# Altium PCB uz_d_absolute_encoder.PcbDoc (part 1 of 2) (continued)
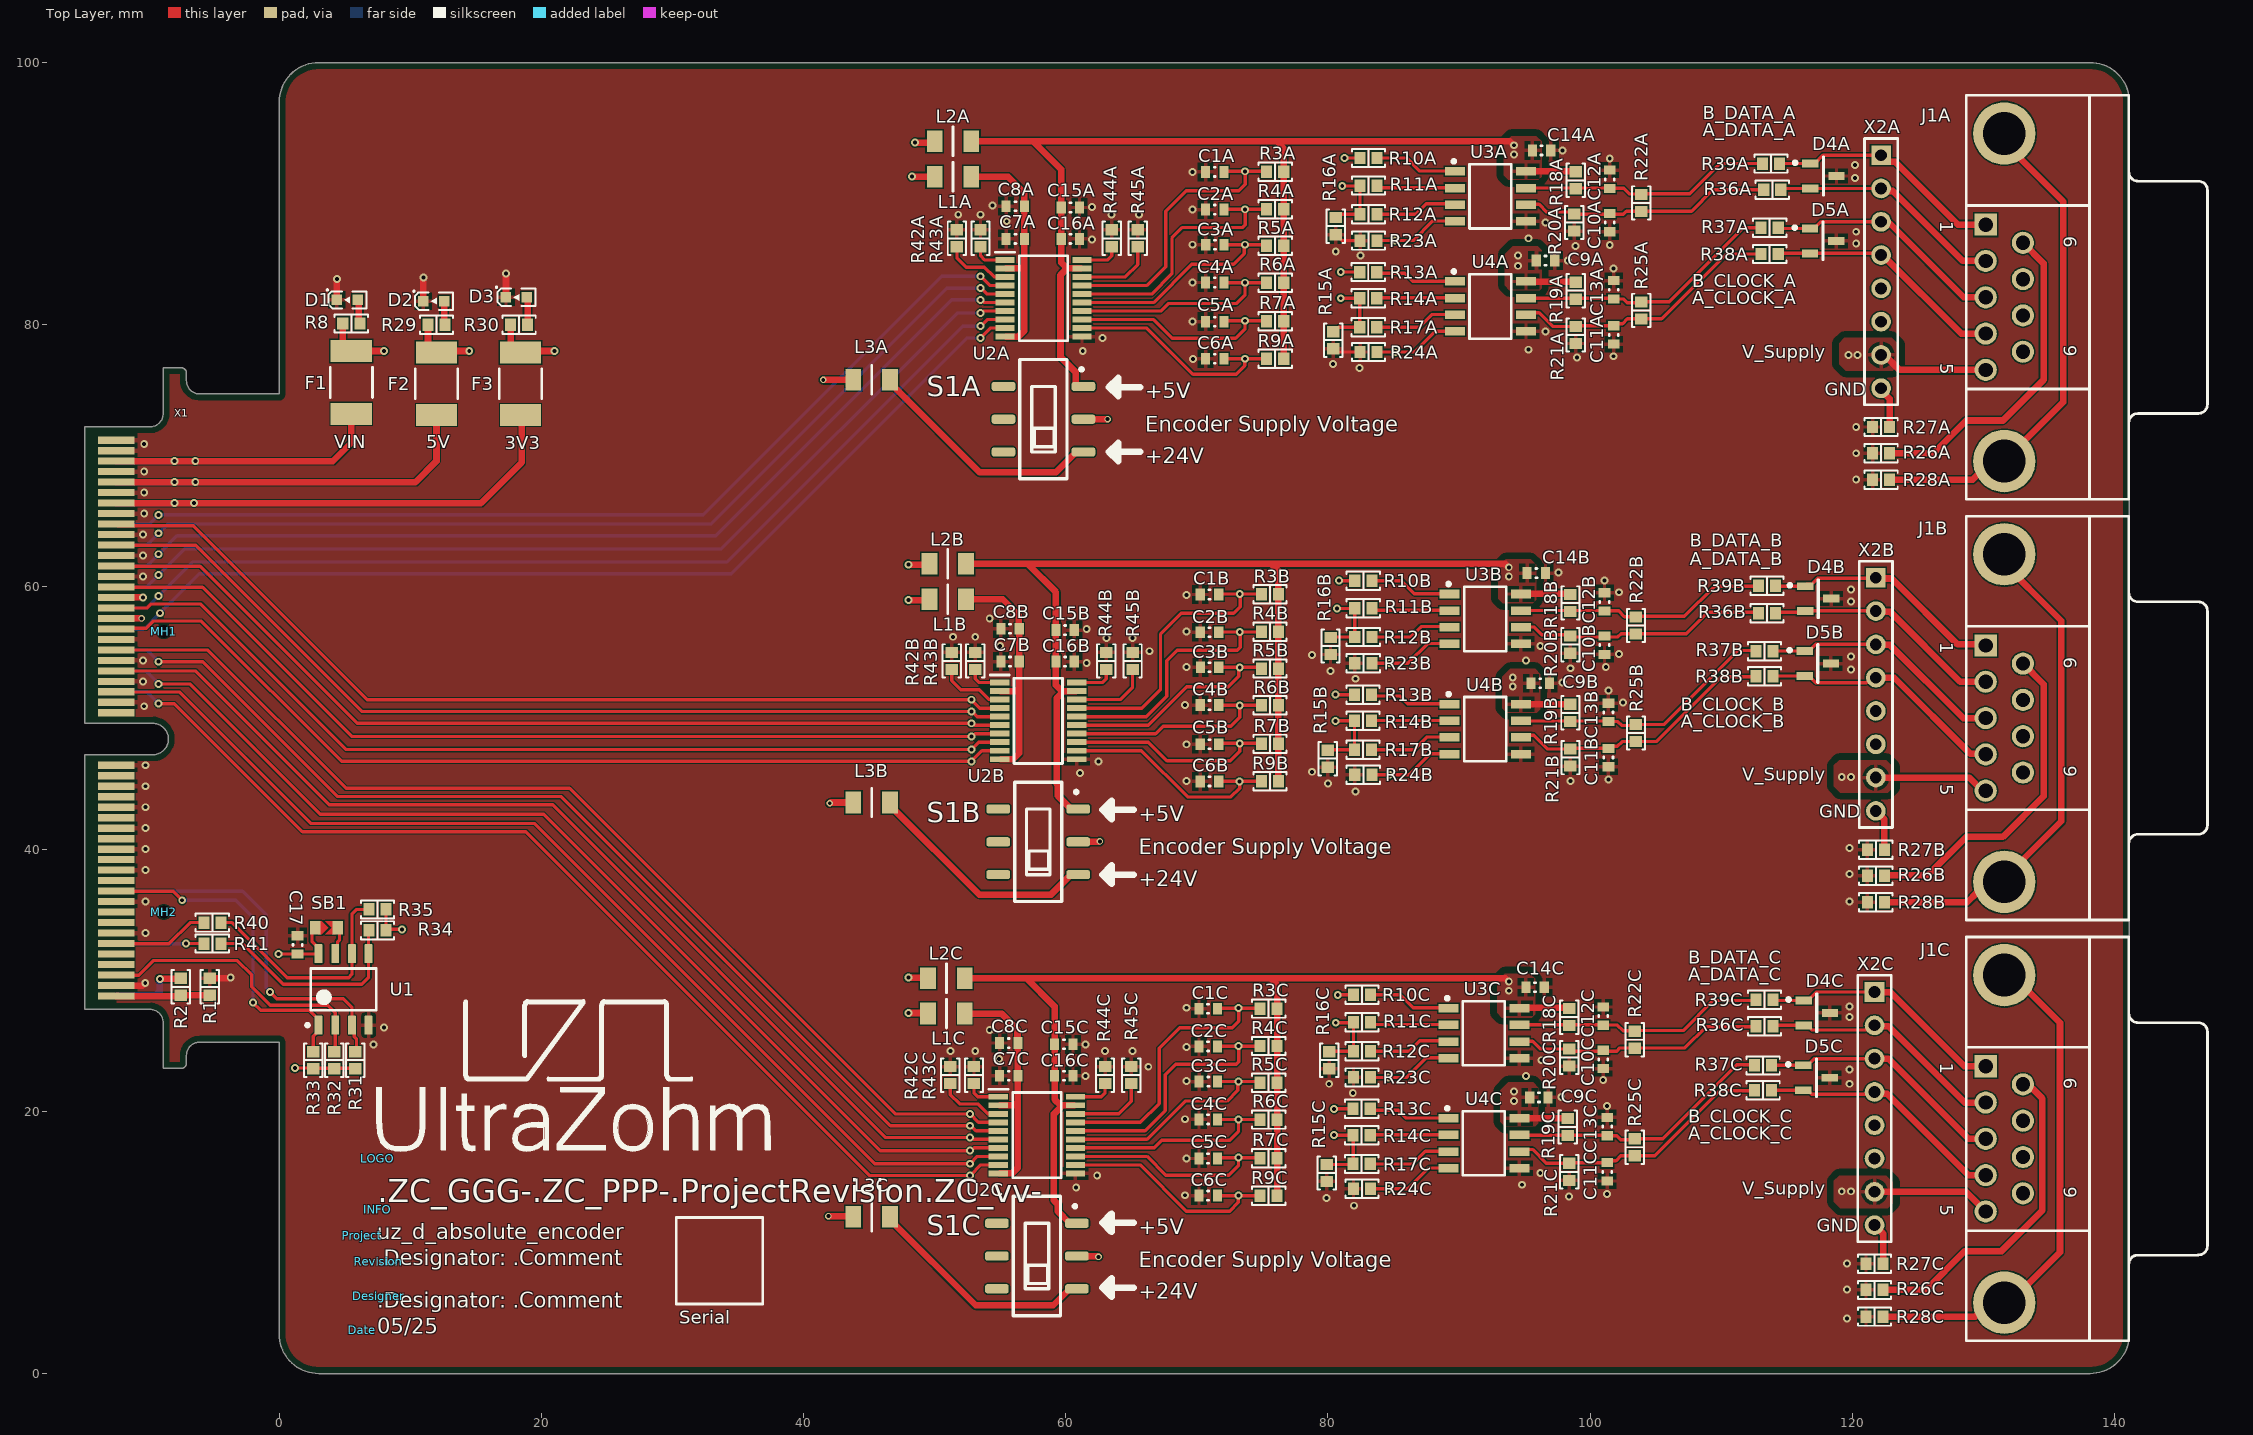
[diagram p0: Top Layer view]
## Components (designator, comment, footprint, x,y, rotation, side; value= is the part's Value field where it differs from the comment) (continued)
U3A "THVD1450DR" SOIC127P600X175-8N 92.4,89.8 r0 top (schematic designator U3)
U3B "THVD1450DR" SOIC127P600X175-8N 92,57.56 r0 top (schematic designator U3)
U3C "THVD1450DR" SOIC127P600X175-8N 91.9,25.96 r0 top (schematic designator U3)
U4A "THVD1450DR" SOIC127P600X175-8N 92.4,81.4 r0 top (schematic designator U4)
U4B "THVD1450DR" SOIC127P600X175-8N 92,49.16 r0 top (schematic designator U4)
U4C "THVD1450DR" SOIC127P600X175-8N 91.9,17.56 r0 top (schematic designator U4)
X1 "HSEC8-150-01-XX-DV-A-BL-CARD" HSEC8-150-01-XX-DV-A-BL-CARD -14.84,50 r270 bottom locked
X2A "Pin Header" HDR1X8 122.2,92.94 r270 top (schematic designator X2)
X2B "Pin Header" HDR1X8 121.8,60.7 r270 top (schematic designator X2)
X2C "Pin Header" HDR1X8 121.7,29.1 r270 top (schematic designator X2)

## Footprints (in the part's own frame and the unit in brackets; to place one, negate y for a bottom-side part, rotate by r counter-clockwise, add the part's x,y. Pads: shape width x height; smd on the part's side, far side on the other; paste and mask are expansions set on the pad)
1812_PTC_Polyfuse_Littelfuse [mm] "Chip Fuse, 2-Leads, Body 4.6x3.24mm"
  rect 1.68x3.14 smd: 1(-2.39,0) 2(2.39,0)
  silkscreen extent -1.15,-1.62 1.15,1.62, body extent -2.3,-1.62 2.3,1.62, height 1.15
C_0603 [mm] "Chip Capacitor, Body 1.6x0.8mm, Height 1.0mm, IPC High Density"
  rect 0.7x0.9 smd: 1(-0.7,0) 2(0.7,0)
  silkscreen extent -0.05,-0.35 0.05,0.35, body extent -0.87,-0.47 0.88,0.48, height 1
COMMENT [mm] "prints out the comment of a component"
D0008A_N [mm] "SOIC, 8-Leads, Body 5x4mm, Pitch 1.27mm, IPC Medium Density"
  rrect17% 1.45x0.6 smd: 1(-2.725,1.905) 2(-2.725,0.635) 3(-2.725,-0.635) 4(-2.725,-1.905) 5(2.725,-1.905) 6(2.725,-0.635) 7(2.725,0.635) 8(2.725,1.905)
  silkscreen extent -2.85,-2.5 1.6,2.88, body extent -3,-2.45 3,2.45, height 1.63
Designator:comment [mm] "prints out designator and comment of a component"
DSUB1.385-2H9 [mm] "Connector; D Subminiature; 9 Position; Right Angle; Pitch 1.385 mm"
  rect 1.69x1.69 hole 1.09: 1(-5.54,-10.92)
  round 1.69 hole 1.09: 2(-2.77,-10.92) 3(0,-10.92) 4(2.77,-10.92) 5(5.54,-10.92) 6(-4.155,-8.08) 7(-1.385,-8.08) 8(1.385,-8.08) 9(4.155,-8.08)
  round 4.76 hole 3.26: 10(-12.495,-9.5) 11(12.495,-9.5)
  silkscreen extent -15.4,-12.4 15.4,6, body extent -15.4,-12.2 15.41,6, height 12.8
HDR1X8 [mm] "Connector; Header; 8 Position"
  rect 1.5x1.5 hole 0.9: 1(0,0)
  round 1.5 hole 0.9: 2(2.54,0) 3(5.08,0) 4(7.62,0) 5(10.16,0) 6(12.7,0) 7(15.24,0) 8(17.78,0)
  silkscreen extent -1.27,-1.27 19.05,1.27
HSEC8-150-01-XX-DV-A-BL-CARD [mm]
  rect 0.55x2.8 smd far side mask+0.05: 1(-21.2,-2.4) 3(-20.4,-2.4) 5(-19.6,-2.4) 7(-18.8,-2.4) 9(-18,-2.4) 11(-17.2,-2.4) 13(-16.4,-2.4) 15(-15.6,-2.4) 17(-14.8,-2.4) 19(-14,-2.4) 21(-13.2,-2.4) 23(-12.4,-2.4) 25(-11.6,-2.4) 27(-10.8,-2.4) 29(-10,-2.4) 31(-9.2,-2.4) 33(-8.4,-2.4) 35(-7.6,-2.4) 37(-6.8,-2.4) 39(-6,-2.4) 41(-5.2,-2.4) 43(-4.4,-2.4) 45(-3.6,-2.4) 47(-2.8,-2.4) 49(-2,-2.4) 51(-1.2,-2.4) 53(-0.4,-2.4) 55(3.6,-2.4) 57(4.4,-2.4) 59(5.2,-2.4) 61(6,-2.4) 63(6.8,-2.4) 65(7.6,-2.4) 67(8.4,-2.4) 69(9.2,-2.4) 71(10,-2.4) 73(10.8,-2.4) 75(11.6,-2.4) 77(12.4,-2.4) 79(13.2,-2.4) 81(14,-2.4) 83(14.8,-2.4) 85(15.6,-2.4) 87(16.4,-2.4) 89(17.2,-2.4) 91(18,-2.4) 93(18.8,-2.4) 95(19.6,-2.4) 97(20.4,-2.4) 99(21.2,-2.4)
  rect 0.55x2.8 smd mask+0.05: 2(-21.2,-2.4) 4(-20.4,-2.4) 6(-19.6,-2.4) 8(-18.8,-2.4) 10(-18,-2.4) 12(-17.2,-2.4) 14(-16.4,-2.4) 16(-15.6,-2.4) 18(-14.8,-2.4) 20(-14,-2.4) 22(-13.2,-2.4) 24(-12.4,-2.4) 26(-11.6,-2.4) 28(-10.8,-2.4) 30(-10,-2.4) 32(-9.2,-2.4) 34(-8.4,-2.4) 36(-7.6,-2.4) 38(-6.8,-2.4) 40(-6,-2.4) 42(-5.2,-2.4) 44(-4.4,-2.4) 46(-3.6,-2.4) 48(-2.8,-2.4) 50(-2,-2.4) 52(-1.2,-2.4) 54(-0.4,-2.4) 56(3.6,-2.4) 58(4.4,-2.4) 60(5.2,-2.4) 62(6,-2.4) 64(6.8,-2.4) 66(7.6,-2.4) 68(8.4,-2.4) 70(9.2,-2.4) 72(10,-2.4) 74(10.8,-2.4) 76(11.6,-2.4) 78(12.4,-2.4) 80(13.2,-2.4) 82(14,-2.4) 84(14.8,-2.4) 86(15.6,-2.4) 88(16.4,-2.4) 90(17.2,-2.4) 92(18,-2.4) 94(18.8,-2.4) 96(19.6,-2.4) 98(20.4,-2.4) 100(21.2,-2.4)
"IND 1206_3216" [mm] "Chip Resistor, 2-Leads, Body 3.13x1.55mm, IPC Medium Density"
  rect 1.2x1.65 smd: 1(-1.4,0) 2(1.4,0)
  silkscreen extent 0,-1.1 0,1.1, body extent -1.6,-0.8 1.6,0.8, height 0.95
MH_1#1 [mm]
  round 0 hole 1 unplated: 1(-3.847,-8.721)
MH_1#2 [mm]
  round 0 hole 1 unplated: 1(-25.247,-3.421)
"RES 0603_1608" [mm] "Chip Resistor, 2-Leads, Body 1.60x0.80mm, IPC Medium Density"
  rect 0.85x0.95 smd: 1(-0.65,0) 2(0.65,0)
  silkscreen extent -1.27,-0.7 1.27,0.7, body extent -0.8,-0.4 0.8,0.4, height 0.45
SB_0603 [mil] "Solder Bump"
  rect 32x40 smd: 1(33.75,0) 2(-33.75,0)
  Top Layer region: 23.75,20 13.75,20 -6.25,0 13.75,-20 23.75,-20
  Top Layer region: -26.25,0 -16.25,0 3.75,20 -26.25,20
  Top Layer region: -26.25,0 -16.25,0 3.75,-20 -26.25,-20
SERIAL [mm]
  silkscreen extent -2,-5.4 4.6,1.2
SOIC127P600X175-8N [mm]
  rect 1.525x0.65 smd: 1(-2.712,1.905) 2(-2.712,0.635) 3(-2.712,-0.635) 4(-2.712,-1.905) 5(2.712,-1.905) 6(2.712,-0.635) 7(2.712,0.635) 8(2.712,1.905)
  silkscreen extent -2.92,-2.45 1.6,2.79, body extent -3,-2.45 3,2.45, height 1.75
SOP65P640X120-20N [mm]
  rect 1.475x0.45 smd: 1(-2.938,2.925) 2(-2.938,2.275) 3(-2.938,1.625) 4(-2.938,0.975) 5(-2.938,0.325) 6(-2.938,-0.325) 7(-2.938,-0.975) 8(-2.938,-1.625) 9(-2.938,-2.275) 10(-2.938,-2.925) 11(2.938,-2.925) 12(2.938,-2.275) 13(2.938,-1.625) 14(2.938,-0.975) 15(2.938,-0.325) 16(2.938,0.325) 17(2.938,0.975) 18(2.938,1.625) 19(2.938,2.275) 20(2.938,2.925)
  silkscreen extent -3.67,-3.25 1.85,3.5, body extent -3.2,-3.25 3.2,3.25, height 1.13
SOT95P230X117-3N [mm]
  rect 1.25x0.6 smd: 1(-1,0.95) 2(-1,-0.95) 3(1,0)
  silkscreen extent -2.29,-1.45 0.03,1.45, body extent -1.15,-1.45 1.15,1.45, height 1.17
SS-3235S-L1 [mm]
  rrect50% 0.7x1.8 smd: 1(-2.5,3.05) 2(0,3.05) 3(2.5,3.05) 4(-2.5,-3.05) 5(0,-3.05) 6(2.5,-3.05)
  silkscreen extent -4.55,-1.8 4.55,3.03, body extent -4.55,-3.45 4.55,3.45, height 5.5
UZ_Logo_small [mm] "logo width 3cm"
  silkscreen extent -0.05,0.57 29.94,12.12
WL-SMCW_0603 [mm] "SMD Mono-color Chip LED, body 1.6x0.8mm"
  rect 0.8x0.8 smd: 1(-0.8,0) 2(0.8,0)
  silkscreen extent -1.59,-0.65 1.45,0.83, body extent -0.8,-0.4 0.8,0.4, height 0.7
ZC-Serial [mm] "Serialnumber"

## Part data
C1A C1B C1C C2A C2B C2C C3A C3B C3C C4A C4B C4C C5A C5B C5C C6A C6B C6C C10A C10B C10C C11A C11B C11C C12A C12B C12C C13A C13B C13C: library part 06035A102JAT2A, "Capacitor 0603, 50 VDC, 1 nF, C0G", Device Package=0603, LCSC Part Number=C106246, Manufacturer=AVX, Operating Temperature="-55 - 125°C", Supplier Part Number 1=581-06035A102J, Tolerance="5 %", Voltage Rating="50 VDC", Component Type="Capacitor 0603", ComponentLink1Description=Datasheet, ComponentLink1URL=https://www.mouser.de/datasheet/2/40/C0GNP0_Dielectric-951274.pdf, Created from=MGremer, Created On="20.12.2020 13:54:13", Last Updated="15.02.2023 13:44:24", Live Cycle Status=1, Manufacturer Part Number=06035A102JAT2A, Mounting Type=SMD, PartID=57, Series=C0G, Stock number="not stored", Supplier 1=Mouser, Type=Capacitor
C7A C7B C7C C8A C8B C8C C9A C9B C9C C14A C14B C14C C15A C15B C15C C16A C16B C16C C17: library part CC0603KRX7R9BB104, "Capacitor 0603, 50 VDC, 100 nF, X7R", Device Package=0603, LCSC Part Number=C14663, Manufacturer=YAGEO, Operating Temperature="-55 - 125°C", Tolerance="10 %", Voltage Rating="50 VDC", Component Type="Capacitor 0603", ComponentLink1Description=Datasheet, ComponentLink1URL=https://datasheet.lcsc.com/lcsc/1809301912_YAGEO-CC0603KRX7R9BB104_C14663.pdf, Created from=AGeiger, Created On="22.08.2022 14:35:53", Last Updated="22.08.2022 14:35:53", Live Cycle Status=1, Manufacturer Part Number=CC0603KRX7R9BB104, Mounting Type=SMD, PartID=102, Series=X7R, Supplier 1=LCSC, Supplier 2=Mouser, Supplier Part Number 1=C14663, Supplier Part Number 2=603-CC603KRX7R9BB104, Type=Capacitor
D1: "WL-SMCW SMD Mono-color Chip LED Waterclear Blue", Color=blue, Device Package=0603, Forward Current I_f="20 mA", Forward Voltage U_f="3.2 V", Manufacturer="Wuerth Elektronik", Nominal Power="78 mW", Operating Temperature="-40 - 85 °C", Supplier Part Number 1=710-150060BS84000, Component Type="LED Diode", ComponentLink1Description=Datasheet, ComponentLink1URL=https://www.mouser.de/datasheet/2/445/150060BS84000-1838909.pdf, Created from=MGremer, Created On="08.12.2020 10:19:38", Last Updated="03.03.2021 09:59:51", Light Intensity="560 mcd", Live Cycle Status=1, Manufacturer Part Number=150060BS84000, Mounting Type=SMD, PartID=1, Stock number="not stored", Supplier 1=Mouser, Supplier 2=Farnell, Supplier 3=Digi-Key, Supplier Part Number 2=3408611, Supplier Part Number 3=732-150060BS84000CT-ND, Type=Standard, Wavelength="470 nm"
D2: "LED RED 520~625NM 90~100MCD@20MA TOP VIEW 0603 ROHS", Color=red, Device Package=0603, Forward Current I_f="20 mA", Forward Voltage U_f="2.1 V", LCSC Part Number=C2286, Manufacturer="Hubei KENTO Elec", Nominal Power="42 mW", Operating Temperature="-40 - 85 °C", Component Type="LED Diode", ComponentLink1Description=Datasheet, ComponentLink1URL=https://datasheet.lcsc.com/szlcsc/Hubei-KENTO-Elec-KT-0603R_C2286.pdf, Created from="T. Wendt", Created On="03.03.2021 10:06:23", Last Updated="04.03.2021 09:02:49", Light Intensity="110 mcd", Live Cycle Status=1, Manufacturer Part Number=KT-0603R, Mounting Type=SMD, PartID=8, Stock number="not stored", Supplier 1=LCSC, Supplier Part Number 1=C2286, Type=Standard, Wavelength="620 nm"
D3: "LED GREEN 520~535NM 112~258MCD@20MA TOP VIEW 0603 ROHS", Color=green, Device Package=0603, Forward Current I_f="20 mA", Forward Voltage U_f="3.3 V", LCSC Part Number=C72043, Manufacturer="Everlight Elec", Nominal Power="83 mW", Operating Temperature="-40 - 85 °C", Component Type="LED Diode", ComponentLink1Description=Datasheet, ComponentLink1URL=https://datasheet.lcsc.com/szlcsc/Everlight-Elec-19-217-GHC-YR1S2-3T_C72043.pdf, Created from="T. Wendt", Created On="03.03.2021 10:06:23", Last Updated="04.03.2021 09:02:49", Light Intensity="285 mcd", Live Cycle Status=1, Manufacturer Part Number=19-217/GHC-YR1S2/3T, Mounting Type=SMD, PartID=7, Stock number="not stored", Supplier 1=LCSC, Supplier 2=Mouser, Supplier Part Number 1=C72043, Supplier Part Number 2=638-19217GHCYR1S23T, Type=Standard, Wavelength="530 nm"
D4A D4B D4C D5A D5B D5C: "TVS Diode 7V", Device Package=SOT-23-3, Manufacturer=Bourns, Operating Temperature="-55 - 150°C", Package=SOT-23, Supplier Part Number 1=652-CDSOT23-SM712, Voltage=7V, Category=tvs, Component Type="TVS Diode, ESD", ComponentLink1Description=Datasheet, ComponentLink1URL=https://www.mouser.de/datasheet/2/54/CDSOT23-SM712-1635169.pdf, Created=2020_09_21_MGremer, Created from=MGremer, Created On="05.03.2021 11:12:07", Last Updated="23.11.2021 12:39:30", Live Cycle Status=1, Manufacturer Part Number=CDSOT23-SM712, Mounting Style=SMT, Mounting Type=SMD, PartID=7, Pins=3, Polarity=Bidirectional, Series=CDSOT23-SM712, Stock number="not stored", Supplier 1=Mouser, Type=TVS-Diode
Date: library part 5, "Create a project parameter named \"FinDate\" this is the value of this component. It is printed on the PCB. Once the parameter is updated (e.g. new revision) it gets updated on the PCB as well", Manufacturer="PCB Manufacturer", Manufacturer Part Number="Project End Date", Component Type="Date of Project Finalization", Created from="T. Wendt", Created On="01.03.2021 09:01:41", Last Updated="01.03.2021 09:01:41", Live Cycle Status=1, PartID=5, Type="Standard (No BOM)"
Designer: library part 4, "Create a project parameter named \"Author\" this is the value of this component. It is printed on the PCB. Once the parameter is updated (e.g. new revision) it gets updated on the PCB as well", Manufacturer="PCB Manufacturer", Manufacturer Part Number="Project Author", Component Type="Project Author", Created from="T. Wendt", Created On="01.03.2021 08:53:41", Last Updated="01.03.2021 09:20:27", Live Cycle Status=1, PartID=4, Type="Standard (No BOM)"
F1 F2 F3: "POLYSWITCH RESETTABLE DEVICES", Hold Current=1.1A, LCSC Part Number=C70119, Manufacturer=Littelfuse, MPN=miniASMDC110F/24, Nominal current="1 A", Operating Temperature="-40 - 85 °C", Package=1812, Resistance="0.18 Ohm", Supplier Part Number 1=530-0ZCG0150BF2C, Trip Current=2.2A, Voltage=24V, Component Type=Littelfuse_PTC_1812, ComponentLink1Description=Datasheet, ComponentLink1URL=https://www.littelfuse.com/~/media/electronics/datasheets/resettable_ptcs/littelfuse_ptc_surface_mount_catalog_datasheet.pdf.pdf, Created=2019_02_10_AGeiger, Created from=MHlatky, Created On="07.05.2021 06:50:33", Last Updated="27.05.2022 15:06:17", Live Cycle Status=1, Manufacturer Part Number=Littelfuse_PTC_1812, MF=Littelfuse, Mounting Type=SMD, PartID=5, Supplier 1=Mouser, Type=Fuse
INFO: library part ZC-Serial, Manufacturer=UltraZohm, Supplier Part Number 1=-, Component Type="ZC Serialnumber", ComponentLink1Description=https://docs.ultrazohm.com/, ComponentLink1URL=homepage, Created from=FRosner, Created On="15.04.2025 09:17:14", Last Updated="15.04.2025 09:17:14", Live Cycle Status=1, Manufacturer Part Number=ZC-Serial, PartID=58, Supplier 1=-, Type="Serial Number"
J1A J1B J1C: "Connector; D Subminiature; 9 Position; Right Angle; Pitch 1.385 mm", Device Package=-, LCSC Part Number=C141882, Manufacturer="TE Connectivity", PackageDocument=O, Supplier Part Number 1=571-2311765-1, Component Type="DSUB Connector", ComponentLink1Description=Datasheet, ComponentLink1URL=https://www.mouser.de/datasheet/2/418/7/ENG_CD_2311765_D-2072985.pdf, Created from=MHlatky, Created On="26.01.2021 09:19:51", DatasheetDocument=1-Sep-1999, Gender=Receptacle, Last Updated="27.05.2022 15:54:50", LatestRevisionDate=17-Jul-2002, LatestRevisionNote="Re-released for DXP Platform.", Live Cycle Status=1, Manufacturer Part Number=DSUB1.385-2H9, Orientation="Right Angle", PackageReference=788750, PartID=5, Positions=9, Published=15-Jun-2001, Publisher="Altium Limited", Stock number="not stored", Supplier 1=Mouser, Type="DSUB Connector"
L1A L1B L1C L2A L2B L2C L3A L3B L3C: "9mΩ ±25% 33Ω@100MHz 6A", DC current=6A, Device Package=1206, LCSC Part Number=C74090, Manufacturer="Murata Electronics", Operating Temperature="-55°C to +125°C", Supplier Part Number 1=81-BLM31P330S, Component Type="Ferrite Beads", ComponentLink1Description=Datasheet, ComponentLink1URL=https://www.lcsc.com/datasheet/lcsc_datasheet_2409292303_Murata-Electronics-BLM31PG330SN1L_C74090.pdf, Created from=TGaupp, Created On="03.01.2025 10:28:25", Last Updated="03.01.2025 10:28:25", Live Cycle Status=1, Manufacturer Part Number=BLM31PG330SN1L, Mounting Type=SMD, PartID=27, Series=BLM31_SN, Stock number="not stored", Supplier 1=Mouser, Supplier 2="LCSC	C74090", Supplier Part Number 2="LCSC	C74090", Type=Ferrite_Bead
LOGO: library part 1, "Official Project Logo of the UltraZohm", Manufacturer="PCB Manufacturer", Manufacturer Part Number="UltraZohm Logo", Component Type=Logo, ComponentLink1Description=Homepage, ComponentLink1URL=https://ultrazohm.com, Created from="T. Wendt", Created On="19.02.2021 16:55:56", Last Updated="02.03.2021 14:31:24", Live Cycle Status=1, PartID=1, Type="Standard (No BOM)"
MH1 MH2: library part "Mounting Hole - 1mm", "Non plated through hole, 1mm"
Project: library part 2, "Create a project parameter named \"ProjectNameCustom\" this is the value of this component and it is printed on the PCB.", Manufacturer="PCB Manufacturer", Manufacturer Part Number="Project Name", Component Type="Project Name", Created from="T. Wendt", Created On="01.03.2021 08:43:57", Last Updated="01.03.2021 09:07:27", Live Cycle Status=1, PartID=2, Type="Standard (No BOM)"
R1 R2 R10A R10B R10C R11A R11B R11C R12A R12B R12C R13A R13B R13C R14A R14B R14C R17A R17B R17C R26A R26B R26C R27A R27B R27C R28A R28B R28C R40 R41: library part RC0603JR-070RL, "SMD resistor E24 series", Device Package=0603, LCSC Part Number=C21189, Manufacturer=YAGEO, Supplier Part Number 1=603-RC0603JR-070RL, Tolerance=5%, Component Type="SMD resistor", ComponentLink1Description=Datasheet, ComponentLink1URL=https://www.mouser.de/datasheet/2/447/PYu-RC_Group_51_RoHS_L_10-1664068.pdf, Created from=MGremer, Created On="14.12.2020 16:17:14", Last Updated="04.03.2021 09:09:42", Live Cycle Status=1, Manufacturer Part Number=RC0603JR-070RL, Mounting Type=SMD, PartID=1, Stock number="Labor SMD Container", Supplier 1=Mouser, Supplier 2=LCSC, Supplier Part Number 2=C21189, Type=Resistor
R3A R3B R3C R4A R4B R4C R5A R5B R5C R6A R6B R6C R7A R7B R7C R9A R9B R9C R18A R18B R18C R19A R19B R19C R20A R20B R20C R21A R21B R21C: library part 0603WAF1001T5E, "SMD resistor E24 series", Device Package=0603, LCSC Part Number=C21190, Manufacturer=UNI-ROYAL, Tolerance=1%, Component Type="SMD resistor", ComponentLink1Description=Datasheet, ComponentLink1URL=https://datasheet.lcsc.com/lcsc/2206010130_UNI-ROYAL-Uniroyal-Elec-0603WAF1001T5E_C21190.pdf, Created from=AGeiger, Created On="14.12.2020 16:17:14", Last Updated="25.08.2022 16:01:46", Live Cycle Status=1, Manufacturer Part Number=0603WAF1001T5E, Mounting Type=SMD, PartID=74, Stock number="Labor SMD Container", Supplier 1=LCSC, Supplier Part Number 1=C21190, Type=Resistor
R8: library part CRCW060324K9FKEA, "SMD resistor 1%", Device Package=0603, Manufacturer=Vishay, Supplier Part Number 1=71-CRCW0603-24.9K-E3, Tolerance=1%, Component Type="SMD resistor", ComponentLink1Description=Datasheet, ComponentLink1URL=https://www.mouser.de/datasheet/2/427/dcrcwe3-1762152.pdf, Created from=MGremer, Created On="14.12.2020 16:17:14", Last Updated="02.03.2021 14:07:32", Live Cycle Status=1, Manufacturer Part Number=CRCW060324K9FKEA, Mounting Type=SMD, PartID=157, Stock number="not stored", Supplier 1=Mouser, Type=Resistor
R15A R15B R15C R16A R16B R16C R23A R23B R23C R24A R24B R24C: library part RK73B1JTTD103J, "SMD resistor E24 series", Device Package=0603, LCSC Part Number=C25804, Manufacturer="KOA Speer", Supplier Part Number 1=660-RK73B1JTTD103J, Tolerance=5%, Component Type="SMD resistor", ComponentLink1Description=Datasheet, ComponentLink1URL=https://www.mouser.de/datasheet/2/219/RK73B-1825463.pdf, Created from=MGremer, Created On="14.12.2020 16:17:14", Last Updated="27.05.2022 14:04:22", Live Cycle Status=1, Manufacturer Part Number=RK73B1JTTD103J, Mounting Type=SMD, PartID=98, Stock number="Labor SMD Container", Supplier 1=Mouser, Type=Resistor
R22A R22B R22C R25A R25B R25C: library part RK73B1JTTD121J, "SMD resistor E24 series", Device Package=0603, LCSC Part Number=C22787, Manufacturer="KOA Speer", Supplier Part Number 1=660-RK73B1JTTD121J, Tolerance=5%, Component Type="SMD resistor", ComponentLink1Description=Datasheet, ComponentLink1URL=https://www.mouser.de/datasheet/2/219/RK73B-1825463.pdf, Created from=MGremer, Created On="14.12.2020 16:17:14", Last Updated="27.05.2022 13:40:47", Live Cycle Status=1, Manufacturer Part Number=RK73B1JTTD121J, Mounting Type=SMD, PartID=52, Stock number="Labor SMD Container", Supplier 1=Mouser, Type=Resistor
R29 R31 R32 R33: library part 0603WAF4701T5E, "SMD resistor E24 series", Device Package=0603, LCSC Part Number=C23162, Manufacturer=UNI-ROYAL, Tolerance=1%, Component Type="SMD resistor", ComponentLink1Description=Datasheet, ComponentLink1URL=https://datasheet.lcsc.com/lcsc/2206010116_UNI-ROYAL-Uniroyal-Elec-0603WAF4701T5E_C23162.pdf, Created from=AGeiger, Created On="14.12.2020 16:17:14", Last Updated="25.08.2022 20:03:04", Live Cycle Status=1, Manufacturer Part Number=0603WAF4701T5E, Mounting Type=SMD, PartID=90, Stock number="Labor SMD Container", Supplier 1=LCSC, Supplier Part Number 1=C23162, Type=Resistor
R30: library part RK73B1JTTD222J, "SMD resistor E24 series", Device Package=0603, LCSC Part Number=C4190, Manufacturer="KOA Speer", Supplier Part Number 1=660-RK73B1JTTD222J, Tolerance=5%, Component Type="SMD resistor", ComponentLink1Description=Datasheet, ComponentLink1URL=https://www.mouser.de/datasheet/2/219/RK73B-1825463.pdf, Created from=MGremer, Created On="14.12.2020 16:17:14", Last Updated="31.01.2023 21:49:41", Live Cycle Status=1, Manufacturer Part Number=RK73B1JTTD222J, Mounting Type=SMD, PartID=82, Stock number="Labor SMD Container", Supplier 1=Mouser, Type=Resistor
R34 R35 R42A R42B R42C R43A R43B R43C R44A R44B R44C R45A R45B R45C: library part RK73B1JTTD104J, "SMD resistor E24 series", Device Package=0603, LCSC Part Number=C25803, Manufacturer="KOA Speer", Supplier Part Number 1=660-RK73B1JTTD104J, Tolerance=5%, Component Type="SMD resistor", ComponentLink1Description=Datasheet, ComponentLink1URL=https://www.mouser.de/datasheet/2/219/RK73B-1825463.pdf, Created from=MGremer, Created On="14.12.2020 16:17:14", Last Updated="27.05.2022 14:04:10", Live Cycle Status=1, Manufacturer Part Number=RK73B1JTTD104J, Mounting Type=SMD, PartID=122, Stock number="Labor SMD Container", Supplier 1=Mouser, Type=Resistor
R36A R36B R36C R37A R37B R37C R38A R38B R38C R39A R39B R39C: library part CRCW060310R0FKTA, "SMD 1/10watt 10ohms 1%", Device Package=0603, LCSC Part Number=C2091419, Manufacturer=Vishay, Supplier Part Number 1=71-CRCW0603-10, Tolerance="1 %", Component Type="SMD resistor", ComponentLink1Description=Datasheet, ComponentLink1URL=https://www.vishay.com/docs/20008/dcrcw.pdf, Created from=TGaupp, Created On="28.08.2023 12:16:52", Last Updated="23.10.2023 10:02:03", Live Cycle Status=1, Manufacturer Part Number=CRCW060310R0FKTA, Mounting Type=SMD, PartID=296, Stock number="not stored", Supplier 1=Mouser, Type=Resistor
Revision: library part 3, "Create a project parameter named \"ProjectRevision\" this is the value of this component. It is printed on the PCB. Once the parameter is updated (e.g. new revision) it gets updated on the PCB as well", Manufacturer="PCB Manufacturer", Manufacturer Part Number="Project Revision", Component Type="Project Revision", Created from="T. Wendt", Created On="01.03.2021 08:50:34", Last Updated="01.03.2021 09:28:36", Live Cycle Status=1, PartID=3, Type="Standard (No BOM)"
S1A S1B S1C: "50mA Horizontal attachment DPDT 12V 12V 50mA 10,000 times Black SMD Slide Switches ROHS", Device Package=SMD, LCSC Part Number=C500055, Manufacturer="XKB Connection", Operating Temperature="-40 to +85 °C", Component Type="Switch DPDT", ComponentLink1Description=Datasheet, ComponentLink1URL=https://www.lcsc.com/datasheet/lcsc_datasheet_2110111230_XKB-Connection-SS-3235S-L1_C500055.pdf, Created from=AGeiger, Created On="21.02.2024 17:10:55", Last Updated="23.08.2024 11:42:29", Live Cycle Status=1, Manufacturer Part Number=SS-3235S-L1, Mounting Type=SMD, PartID=49, Supplier 1=LCSC, Supplier Part Number 1=C500055, Type=Switch
SB1: library part =Value, Device Package=0603, Component Type="Solder Bump", Created from=AGeiger, Created On="09.01.2024 17:13:56", Last Updated="09.01.2024 17:13:56", Manufacturer Part Number="Solder Bump 0603", Mounting Type=SMD, PartID=1, Revision="July-2002: Re-released for DXP Platform."
Serial: library part 6, "Field to put in a serial number", Manufacturer="PCB Manufacturer", Manufacturer Part Number="Serial Number", Component Type="Serial Number", Created from="T. Wendt", Created On="02.03.2021 14:31:24", Last Updated="02.03.2021 14:31:24", Live Cycle Status=1, PartID=6, Type="Standard (No BOM)"
U1: "2Kbit I2C SOP-8 EEPROM ROHS", Device Package=SOIC-8, LCSC Part Number=C7562, Manufacturer=STMicroelectronics, Operating Temperature="-40 to +85 °C", Supplier Part Number 1=511-M24C02-WMN6TP, Component Type=EEPROM, ComponentLink1Description=Datasheet, ComponentLink1URL=https://www.st.com/resource/en/datasheet/m24c01-w.pdf, Created from=AGeiger, Created On="19.11.2023 14:54:27", Last Updated="19.11.2023 21:39:04", Manufacturer Part Number=M24C02-WMN6TP, Mounting Type=SMD, PartID=1, Series=M24xxx, Supplier 1=Mouser, Supplier 2=LCSC, Supplier Part Number 2=C7562, Type=Memory
U2A U2B U2C: "Voltage Levels 8-Bit Bi-directional V-Level Translator", Device Package=TSSOP-20, LCSC Part Number=C53406, Manufacturer="Texas Instruments", Operating Temperature="-40 to +85 °C", Supplier Part Number 1=595-TXB0108PWR, Component Type="Level Shifter", ComponentLink1Description=Datasheet, ComponentLink1URL=https://www.ti.com/lit/ds/symlink/txb0108.pdf?ts=1734008122008&ref_url=https%253A%252F%252Fwww.mouser.de%252F, Created from=T.Gaupp, Created On="13.12.2024 11:01:59", Last Updated="03.01.2025 11:10:35", Live Cycle Status=1, Manufacturer Part Number=TXB0108PWR, Mounting Type=SMD, PartID=11, Series=TXB0108, Stock number="not stored", Supplier 1=Mouser, Supplier 2=LCSC, Supplier Part Number 2=C53406, Type="Level Shifter"
U3A U3B U3C U4A U4B U4C: "3.3-V to 5-V RS-485 transceiver with +/-18-kV IEC ESD protection 8-SOIC -40 to 125", Device Package=SOIC-8, LCSC Part Number=C2671361, Manufacturer="Texas Instruments", Operating Temperature="-40 - 125 °C", Supplier Part Number 1=595-THVD1450DR, Component Type="RS-485 transceiver", ComponentLink1Description=Datasheet, ComponentLink1URL=https://www.ti.com/lit/ds/symlink/thvd1450.pdf?ts=1735896970492&ref_url=https%253A%252F%252Fwww.ti.com%252Fproduct%252FTHVD1450, Created from=TGaupp, Created On="03.01.2025 12:54:38", Last Updated="03.01.2025 12:54:38", Live Cycle Status=1, Manufacturer Part Number=THVD1450DR, Minimum Order=1, Mounting Type=SMD, PartID=11, Series=THVD1450, Stock number="not stored", Supplier 1=Mouser, Supplier 2=LCSC, Supplier Part Number 2=C2671361, Type=Standard
X1: "Mating Card Layout for HSEC8-150-01-XX-DV-A-BL", Manufacturer=SAMTEC, Created=2018_04_23_AGeiger
X2A X2B X2C: library part 103741-8, "8 Pin", Manufacturer="TE Connectivity", Supplier Part Number 1=571-103741-8, Component Type="Pin Header", ComponentLink1Description=Datasheet, ComponentLink1URL=https://www.mouser.de/datasheet/2/427/VISH_S_A0003529023_1-2568887.pdf, Created from=MHlatky, Created On="22.11.2021 15:31:45", Last Updated="21.03.2022 12:19:22", Live Cycle Status=1, Manufacturer Part Number=103741-8, PartID=9, Stock number="not stored", Supplier 1=Mouser, Type="Pin Header"

## Via types
v1: diameter 0.6, hole 0.3, Top Layer to Bottom Layer, tented both sides, 249 vias
v2: diameter 0.5, hole 0.3, Top Layer to Bottom Layer, 7 vias

## Nets (pads, with @x,y where several pads share a name; then routed paths per layer and width w, separated by ;. In a path a pad name is that pad's centre, name@x,y a point inside that pad or via, vN(x,y) a via of type N, cw(c..) or ccw(c..) an arc to the next point about the centre after c; other vN are vias at no path point)
3V3_PER: C17.2 F3.1 R31.2 R32.2 R33.2 R34.2 R35.2 SB1.1 U1.8 X1.13 X1.14 | length 109.7
  Top Layer w0.254: v1(-0.05,32) 1.3,32 2.982,32 U1.8@3.007,32.025 3.007,32.45 2.5,32.957 2.5,33.757 SB1.1@2.743,34 ; v1(1.2,23.3) 2.581,23.3 2.6,23.281 5.769,23.281 R31.2@5.8,23.25 ; R35.2@8.15,35.4 R34.2@8.15,33.8 8.231,33.881 v1(9.381,33.881)
  Top Layer w0.5: X1.13@-12.44,66.391 v1@-8,66.391 ; v1(-7.995,66.405) -7.993,66.402 -6.502,66.402 v1(-6.5,66.4) -6.491,66.391 15.391,66.391 18.5,69.5 18.5,73.01 F3.1@18.4,73.11
  VCC w0.5: v1(-6.5,66.4) -6.5,43.4 -0.05,36.95 v1(-0.05,32) ; v1(1.2,23.3) 1.2,30.75 v1(-0.05,32) ; v1(9.381,33.881) 7.5,32 v1(-0.05,32)
  Bottom Layer w0.5: X1.14@-12.44,66.391 v1@-7.995,66.391 ; v1(-7.995,66.405) v1@-7.993,66.402
3V3_PER_fused: F3.2 L1A.1 L1B.1 L1C.1 R30.2 | length 115.8
  Top Layer w0.5: R30.2@17.65,80 17.65,78.48 18.24,77.89 F3.2@18.4,77.89 18.51,78 v1(21,78) ; v1(48,27.5) 49.46,27.5 L1C.1@49.5,27.46 ; v1(48,59) 49.54,59 L1B.1@49.6,59.06 ; v1(48.282,91.305) 49.995,91.305 L1A.1@50,91.3
  VCC w0.5: v1(21,78) 21,82.8 29.505,91.305 v1(48.282,91.305) 45.2,88.222 45.2,61.8 ; v1(48,27.5) 45.2,30.3 45.2,61.8 ; v1(48,59) 45.2,61.8
5V_PER: F2.1 X1.9 X1.10 | length 34.7
  Top Layer w0.5: X1.9@-12.44,67.991 -8,67.991 -7.991,68 v1(-6.4,68) -6.391,67.991 10.391,67.991 12,69.6 F2.1@12,73.11
  Bottom Layer w0.5: X1.10@-12.44,67.991 -6.409,67.991 v1(-6.4,68)
  other v1: -7.995,68.005
5V_PER_fused: F2.2 L2A.1 L2B.1 L2C.1 R29.2 | length 121.2
  Top Layer w0.5: R29.2@11.35,80 11.35,78.48 11.94,77.89 F2.2@12,77.89 12.11,78 v1(14.5,78) ; v1(48,30.2) 49.46,30.2 L2C.1@49.5,30.16 ; v1(48,61.7) 49.54,61.7 L2B.1@49.6,61.76 ; v1(48.5,93.9) 49.9,93.9 L2A.1@50,94
  VCC w0.5: v1(14.5,78) 14.5,82.3 26.1,93.9 v1(48.5,93.9) 50.2,92.2 50.2,63.9 ; v1(48,30.2) 50.2,32.4 50.2,63.9 ; v1(48,61.7) 50.2,63.9
75_DE1A: R12A.2 U3A.3 | length 5.9
  Top Layer w0.254: R12A.2@83.753,88.425 86.703,88.425 87.503,89.225 89.125,89.225 89.16,89.19 U3A.3@89.291,89.19 ; U3A.3@89.256,89.225 U3A.3@89.273,89.225
75_DE1B: R12B.2 U3B.3 | length 5.7
  Top Layer w0.254: R12B.2@83.353,56.185 86.303,56.185 87.103,56.985 U3B.3@88.725,56.985
75_DE1C: R12C.2 U3C.3 | length 5.7
  Top Layer w0.254: R12C.2@83.253,24.585 86.203,24.585 87.003,25.385 U3C.3@88.625,25.385
75_DE2A: R17A.2 U4A.3 | length 6.4
  Top Layer w0.254: R17A.2@83.728,79.825 86.978,79.825 87.943,80.79 U4A.3@89.691,80.79
75_DE2B: R17B.2 U4B.3 | length 6.4
  Top Layer w0.254: R17B.2@83.328,47.585 86.578,47.585 87.543,48.55 U4B.3@89.291,48.55
75_DE2C: R17C.2 U4C.3 | length 6.4
  Top Layer w0.254: R17C.2@83.228,15.985 86.478,15.985 87.443,16.95 U4C.3@89.191,16.95
75_R1A: R10A.2 U3A.1 | length 6.5
  Top Layer w0.254: R10A.2@83.753,92.725 86.003,92.725 86.998,91.73 U3A.1@89.791,91.73
75_R1B: R10B.2 U3B.1 | length 6.5
  Top Layer w0.254: R10B.2@83.353,60.485 85.603,60.485 86.598,59.49 U3B.1@89.391,59.49
75_R1C: R10C.2 U3C.1 | length 6.5
  Top Layer w0.254: R10C.2@83.253,28.885 85.503,28.885 86.498,27.89 U3C.1@89.291,27.89
75_R2A: R13A.2 U4A.1 | length 6.2
  Top Layer w0.254: R13A.2@83.728,83.925 85.878,83.925 86.478,83.325 U4A.1@89.691,83.325